# Allegro board A527_draft_V1_0.brd (continued)
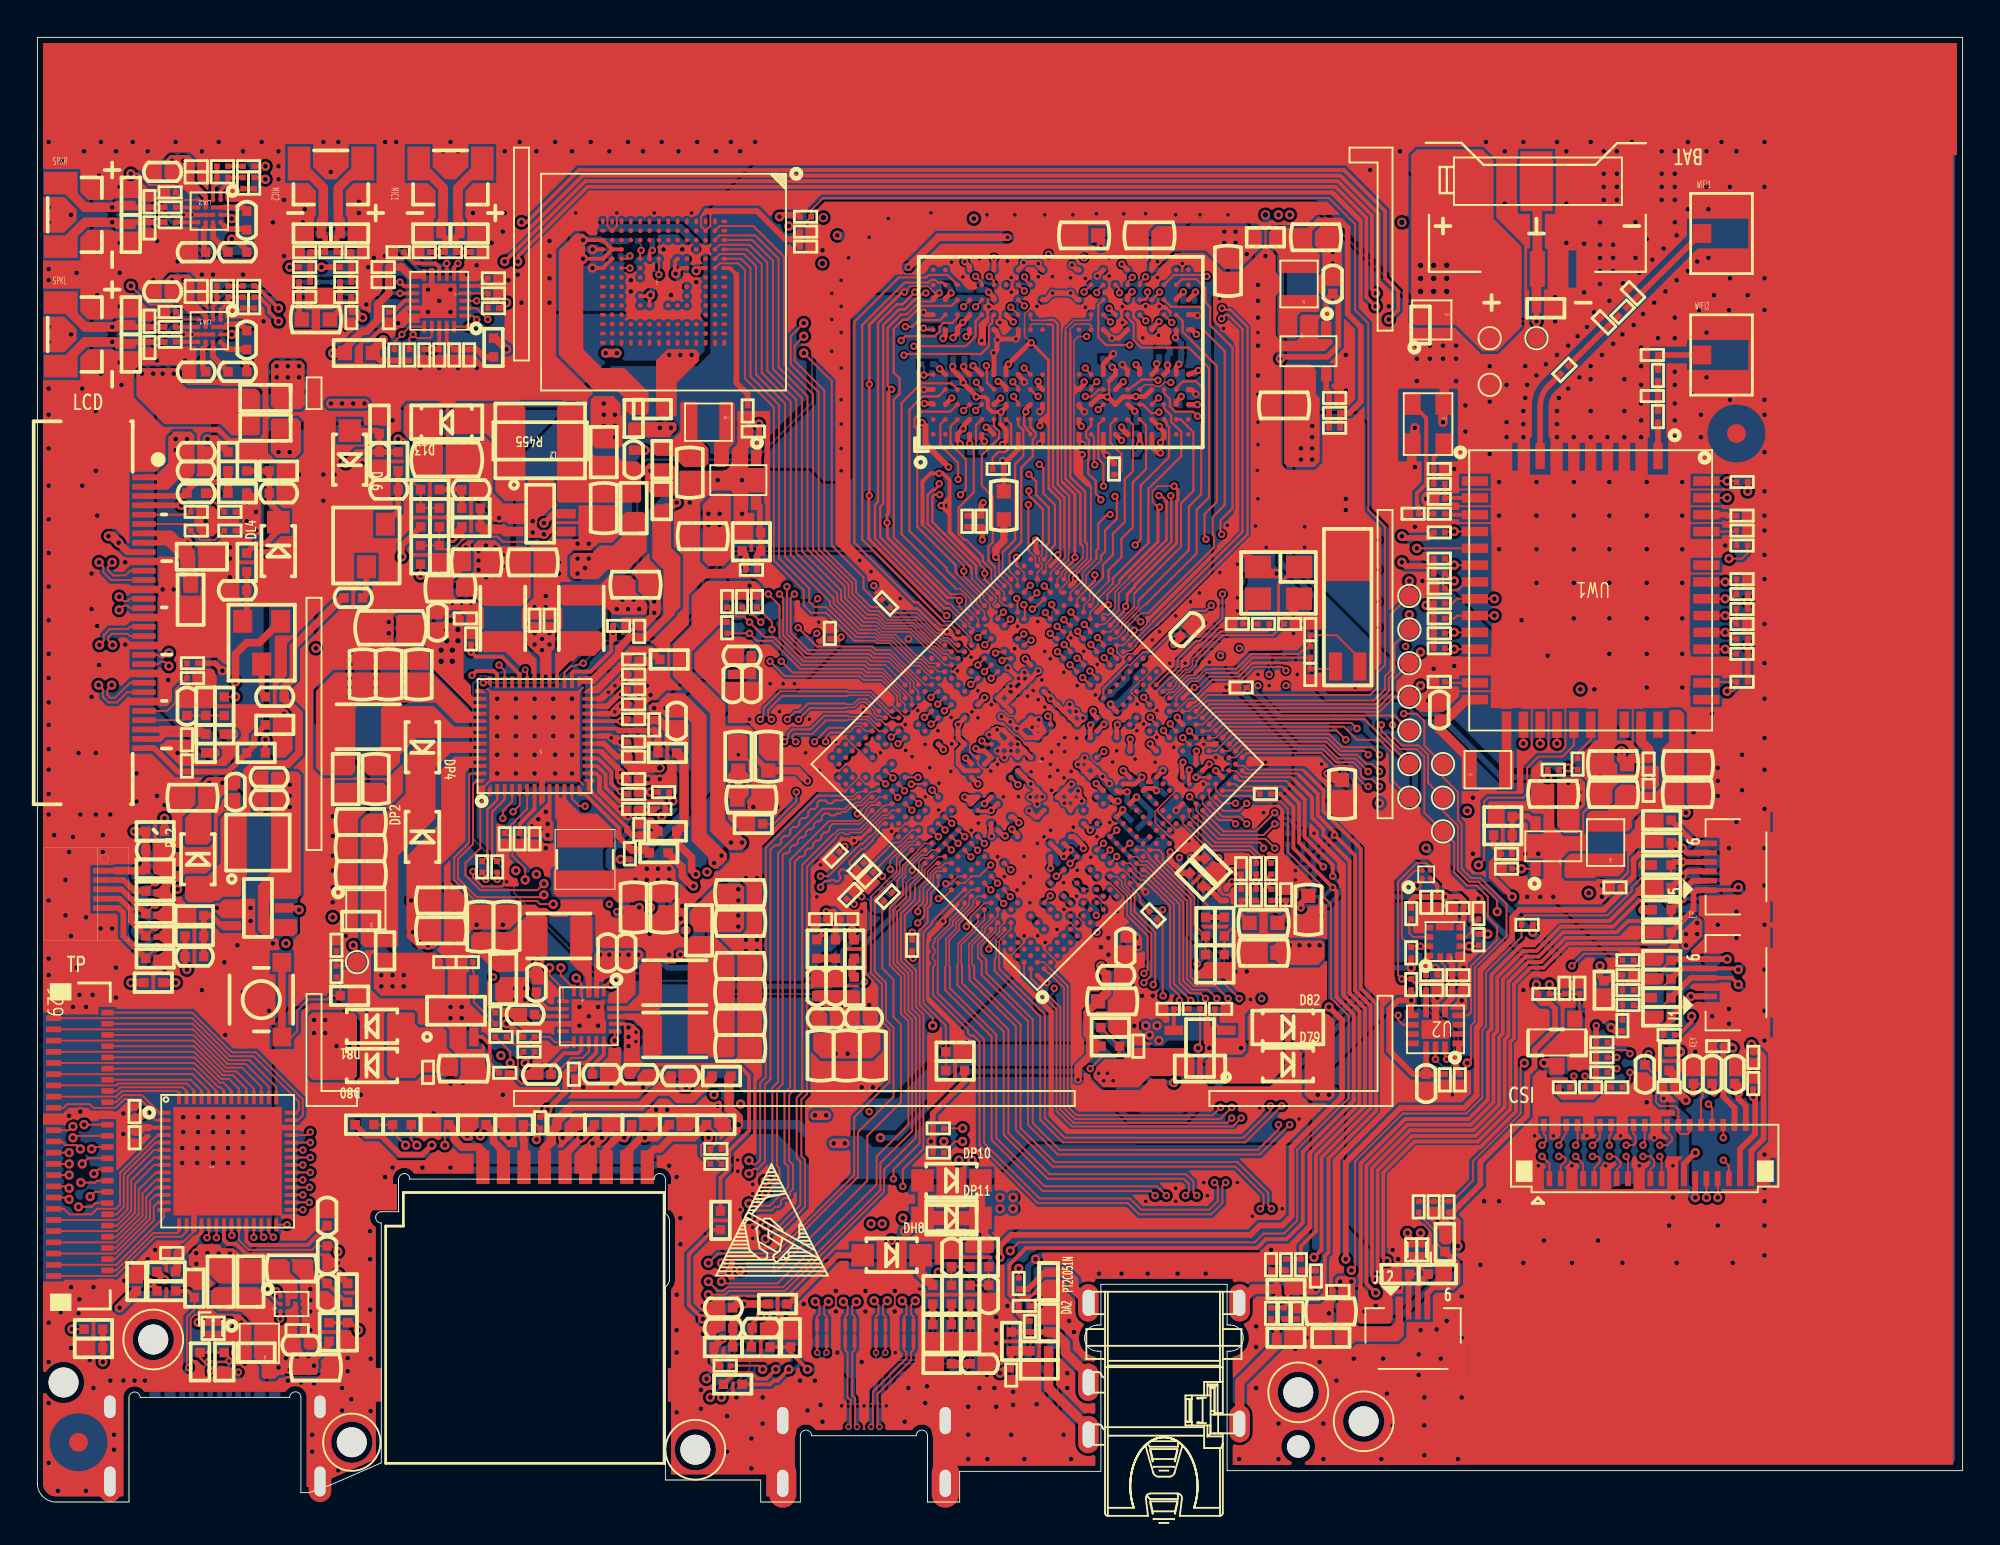
[diagram p0: board, top side]
## Routing (per net, layer and track width the routed paths; a pad name or vN(x,y) marks a point on that pad's centre or on a via; arc(x,y) is an arc through that point) (continued)
N18217425: length 5.1
  TOP w0.3: RH4.2 40.2,10.6 42.81,13.21 DH8.A
N18233780: length 14.7
  TOP w0.3: CD35.1 68.55,68.6 69.7,68.6 70.1,68.2 70.1,63.6 70.8,62.9 70.8,58.9 70.2,58.3 CD33.1 RD8.2
N18233816: length 1
  TOP w0.114: v1(47.4,62.84) 47.49,62.75 UD1.A8
  BOTTOM w0.1: RD4.1 47.44,62.8 v1(47.4,62.84)
N18233818: length 1.1
  TOP w0.114: UD1.A5 47.46,60.35 v1(47.43,60.32)
  BOTTOM w0.1: RD3.1 47.43,60.77 v1(47.43,60.32)
N18233823: length 3
  TOP w0.3: RD8.1 CD33.2 RD9.2 69.1,59.4 68.95,59.55 UD2.5
N18234082: length 3.4
  TOP w0.114: UD1.G2 52.1,57.68 52.1,56.5 51.8,56.21 51.41,56.21 51.1,55.9 RD1.1
N18234084: length 3.6
  TOP w0.114: UD1.T2 57.41,57.68 57.41,56.69 57.99,56.11 57.99,55.19 57.8,55 RD2.1
N18255489: length 2
  TOP w0.076: 58.92,32.48 58.92,32.53 58.45,33 U1.R1
  TOP w0.1: RW1.1 59,32.1 59,32.4 58.92,32.48
N18255972: length 3.7
  TOP w0.076: U1.C19 47.49,35.26 46.29,34.06 46.29,33.55 46,33.26 46,32.9
  TOP w0.1: RC1.1 46,32.9
N18258261: length 2.8
  TOP w0.1: U1.N7 v1(55.25,34.18)
  BOTTOM w0.1: RV1.2 55.89,32.81 55.25,33.45 v1(55.25,34.18)
N18347648: length 2.4
  TOP w0.3: R524.1 88.64,35.26 JL5.6
N18404073: length 4.4
  TOP w0.2: v2(39.5,7.1) 39,6.6 38.5,6.6 38.2,6.9 37.3,6.9 R528.2
  BOTTOM w0.2: U6.3 40.04,7.64 v2(39.5,7.1)
N18413684: length 4.1
  TOP w0.2: v2(40.2,7.1) 39.6,6.5 39.4,6.5 39.2,6.3 R528.1
  BOTTOM w0.2: U6.4 41.01,7.61 40.5,7.1 v2(40.2,7.1)
N18513632: length 1.6
  TOP w0.2: UP8.8 26.8,26 26.65,26.15 26.63,26.15 26.6,26.12 CP135.1
N18513788: length 7.1
  TOP w0.1: UP8.13 29.5,24.1 29.17,23.77 28.57,23.77 27.95,23.15 27.95,22.55 27.8,22.4 25.9,22.4 25.7,22.6 25.7,23.8 RP128.2
N18513817: length 4
  TOP w0.1: RP130.2 25.5,24.5 26.2,24.5 RP129.2 27.4,24.9 27.69,24.61 UP8.11

## Copper pours and planes (outline as drawn; the poured copper is in the pictures)
GND on TOP (solid shape): 64.35,43.85 64.39,43.84 64.4,43.8 64.4,43.4 64.39,43.36 64.35,43.35 62.6,43.35 62.52,43.33 62.46,43.26 62.46,43.26 61.96,42.75 61.94,42.74 61.92,42.74 61.87,42.74 61.85,42.73 61.83,42.73 61.59,42.48 61.57,42.47 61.54,42.47 61.52,42.48 61.49,42.52 61.45,42.56 61.45,42.64 61.45,42.66 61.46,42.67 61.64,42.85 61.65,42.86 61.67,42.86 61.87,42.86 61.88,42.87 61.9,42.87 62.67,43.65 62.7,43.66 62.72,43.68 62.88,43.84 62.89,43.85 62.91,43.85
GND on TOP (solid shape): 69.97,63.31 70.49,62.79 70.5,62.77 70.5,62.76 70.5,59.04 70.5,59.03 70.49,59.01 70.09,58.61 70.07,58.6 70.06,58.6 69.45,58.6 69.41,58.61 69.4,58.65 69.4,59.51 69.4,59.52 69.39,59.54 69.26,59.66 69.25,59.68 69.25,59.69 69.25,59.8 69.26,59.84 69.3,59.85 69.33,59.85 69.36,59.86 69.38,59.89 69.38,60.91 69.36,60.94 69.33,60.95 69.18,60.95 69.16,60.96 69.14,60.98 69.14,60.99 69.14,61.02 69.89,61.76 69.9,61.78 69.9,61.79 69.9,63.27 69.91,63.29 69.93,63.31 69.94,63.31
GND on TOP (solid shape): 54.57,8.37 54.6,8.33 54.6,8.32 54.6,7.85 54.6,7.84 54.61,7.82 55.52,6.92 55.52,6.86 55.52,5.96 55.83,5.38 56.48,5.31 56.49,5.31 56.51,5.31 56.58,5.26 56.59,5.25 56.6,5.23 56.6,4.8 56.59,4.78 56.58,4.76 56.51,4.71 56.49,4.71 56.48,4.71 56.27,4.76 56.06,4.74 56.04,4.74 56.02,4.74 54.51,6.25 54.5,6.27 54.5,6.28 54.5,8.33 54.51,8.35 54.53,8.37 54.54,8.37
GND on TOP (solid shape): 32.67,50.76 32.7,50.77 32.72,50.77 32.73,50.77 32.75,50.74 32.75,50.46 32.75,50.44 32.76,50.42 33.34,49.85 33.35,49.84 33.35,49.82 33.35,47.56 33.35,47.55 33.34,47.53 32.47,46.66 32.45,46.65 32.44,46.65 31.57,46.65 31.56,46.65 31.54,46.64 31.33,46.42 31.3,46.41 31.28,46.41 31.27,46.42 31.25,46.44 31.25,47.3 31.26,47.34 31.3,47.35 32.54,47.35 32.56,47.35 32.58,47.36 32.74,47.52 32.75,47.54 32.75,47.56 32.75,48.14 32.75,48.16 32.74,48.18 32.16,48.75 32.15,48.76 32.15,48.78 32.15,49.34 32.15,49.36 32.14,49.38 31.78,49.74 31.76,49.75 31.73,49.78 31.73,49.8 31.74,49.83
GND on TOP (solid shape): 75.4,27.52 75.4,27.14 75.4,27.13 75.39,27.11 75.09,26.81 75.07,26.8 75.05,26.8 75.01,26.79 75,26.76 75,25.84 75.01,25.81 75.05,25.8 75.5,25.8 75.54,25.79 75.55,25.75 75.55,24.85 75.54,24.81 75.5,24.8 74.1,24.8 74.06,24.81 74.05,24.85 74.05,25.75 74.06,25.79 74.1,25.8 74.56,25.8 74.59,25.81 74.6,25.84 74.6,27.55 74.61,27.59 74.65,27.6 75.26,27.6 75.28,27.6 75.3,27.62 75.34,27.62
GND on TOP (solid shape): 44.21,42.69 44.23,42.69 44.24,42.68 44.61,42.31 44.62,42.29 44.63,42.27 44.63,42.19 44.62,42.16 44.6,42.15 44.59,42.14 44.56,42.15 44.53,42.17 44.52,42.18 44.5,42.18 43.47,42.18 43.45,42.19 43.44,42.2 43.41,42.22 43.35,42.24 43.33,42.24 42.05,42.24 42.03,42.24 42.02,42.23 41.31,41.52 41.3,41.51 41.28,41.51 40.98,41.51 40.96,41.52 40.94,41.54 40.91,41.63 40.91,41.66 40.92,41.67 41.01,41.8 41.02,41.95 41.02,41.96 41.02,41.98 41.37,42.33 41.39,42.34 41.4,42.34 43.23,42.34 43.26,42.34 43.31,42.36 43.34,42.38 43.35,42.39 43.37,42.4 43.74,42.4 43.76,42.4 43.78,42.41 44.04,42.68 44.06,42.69 44.08,42.69
GND on TOP (solid shape): 86.95,36.85 86.99,36.84 87,36.8 87,36.14 87.01,36.11 87.04,36.1 87.36,36.1 87.37,36.1 87.39,36.09 87.7,35.78 87.71,35.75 87.71,35.73 87.7,35.72 87.68,35.7 87.04,35.7 87.01,35.69 87,35.66 87,35.05 86.99,35.01 86.95,35 85.59,35 85.58,35 85.56,34.99 85.13,34.55 85.1,34.54 85.08,34.54 85.07,34.55 85.05,34.57 85.05,34.81 85.04,34.84 85.01,34.85 84.95,34.85 84.91,34.86 84.9,34.9 84.9,35.7 84.91,35.74 84.95,35.75 85.14,35.75 85.16,35.75 85.18,35.76 85.44,36.02 85.45,36.04 85.45,36.06 85.45,36.42 85.45,36.44 85.46,36.45 85.85,36.84 85.86,36.85 85.88,36.85
GND on TOP (solid shape): 33.3,37.25 33.3,37.11 33.28,37.08 33.27,37.08 33.12,36.99 33.02,36.84 33.01,36.82 32.94,36.78 32.91,36.78 32.48,36.64 32.46,36.19 32.47,36.18 32.47,36.15 32.42,36.07 32.41,36.06 32.38,36.05 32.2,36.05 32.11,36.04 32.01,36 31.94,36 31.93,36 31.91,36.01 31.86,36.06 31.85,36.08 31.85,36.1 31.83,36.2 31.79,36.29 31.78,36.31 31.79,36.39 31.8,36.42 31.94,36.62 31.91,36.87 31.9,36.89 31.9,37.2 31.91,37.24 31.95,37.25 33.3,37.25
GND on TOP (solid shape): 75.02,32.1 75.05,32.09 75.3,32 75.55,32.09 75.58,32.1 75.96,32.1 75.97,32.1 76,32.07 76,31.09 76,31.08 75.97,31.05 75.82,31.05 75.79,31.04 75.78,31.01 75.78,30.64 75.76,30.61 75.73,30.6 74.87,30.6 74.84,30.61 74.83,30.64 74.83,31.01 74.81,31.04 74.78,31.05 74.22,31.05 74.19,31.04 74.17,31.01 74.17,30.5 74.16,30.46 74.13,30.45 73.7,30.45 73.68,30.45 73.67,30.46 73.61,30.52 73.6,30.53 73.6,30.55 73.6,30.85 73.61,30.89 73.65,30.9 73.76,30.9 73.79,30.91 73.8,30.94 73.8,32.06 73.8,32.07 73.83,32.1
GND on TOP (solid shape): 65.91,11 65.93,11 65.94,10.99 65.99,10.93 66,10.86 66.01,10.78 65.96,10.72 65.94,10.7 65.92,10.7 65.74,10.7 65.71,10.69 65.7,10.66 65.7,9.54 65.71,9.51 65.74,9.5 65.77,9.5 65.79,9.49 65.89,9.38 65.91,9.31 65.93,9.23 65.9,9.2 65.9,8.58 65.9,8.57 65.89,8.55 64.03,6.69 64,6.68 63.98,6.68 63.97,6.69 63.95,6.71 63.95,7.76 63.97,7.79 63.99,7.79 64.76,8.44 64.57,9.43 64.57,9.44 64.56,9.46 64.58,9.55 64.59,9.57 64.6,9.57 64.91,9.83 65.02,10.21 65.02,10.78 65.03,10.79 65.04,10.81 65.21,10.99 65.23,11 65.25,11
GND on TOP (solid shape): 61.24,36.15 61.25,36.14 61.27,36.13 61.71,35.69 61.73,35.66 61.74,35.64 62.37,35.01 62.39,34.98 62.37,34.95 62.14,34.72 62.13,34.71 62.11,34.7 61.94,34.7 61.92,34.71 61.91,34.72 61.68,34.8 61.47,34.69 61.45,34.68 61.43,34.68 61.37,34.68 61.35,34.68 61.33,34.69 61.19,34.79 61.01,34.79 60.98,34.79 60.91,34.83 60.9,34.86 60.87,34.94 60.81,35.1 60.83,35.38 60.59,35.54 60.56,35.55 60.51,35.6 60.5,35.63 60.54,35.67 60.55,35.68 60.57,35.68 60.77,35.76 60.86,35.95 60.86,35.97 60.92,36.03 60.94,36.03 61.05,36.06 61.14,36.13 61.16,36.14
GND on TOP (solid shape): 26.17,35.62 26.32,35.46 26.34,35.45 26.36,35.45 26.92,35.45 26.94,35.45 26.95,35.44 27.12,35.26 27.14,35.25 27.16,35.25 27.54,35.25 27.56,35.25 27.58,35.27 27.61,35.28 27.62,35.27 27.64,35.25 27.65,35.23 27.65,34.93 27.66,34.9 27.69,34.89 27.73,34.89 27.77,34.88 27.78,34.84 27.78,34.1 27.77,34.06 27.73,34.05 27.66,34.05 27.64,34.05 27.62,34.04 27.46,33.88 27.45,33.86 27.45,33.84 27.45,33.52 27.44,33.49 27.43,33.48 27.35,33.43 27.32,33.43 27.25,33.47 27.15,33.5 27.1,33.56 27.1,33.59 26.88,33.96 26.45,33.91 26.44,33.9 26.41,33.9 26.33,33.94 26.31,33.96 26.3,33.98 25.61,34.67 25.6,34.68 25.6,34.7 25.6,35.45 25.61,35.49 25.65,35.5 26.06,35.5 26.09,35.51 26.1,35.54 26.1,35.58 26.11,35.6 26.13,35.62 26.14,35.63
GND on TOP (solid shape): 40.7,48.3 40.78,48.25 40.79,48.24 40.8,48.21 40.8,47.94 40.8,47.92 40.81,47.9 41.3,47.41 41.32,47.4 41.34,47.4 42.1,47.4 42.12,47.4 42.13,47.39 42.84,46.68 42.85,46.66 42.85,46.65 42.84,46.57 42.8,46.52 42.75,46.49 42.7,46.49 42.7,46.5 42.14,46.5 42.11,46.49 42.1,46.46 42.1,46 42.09,45.96 42.05,45.95 41.78,45.95 41.76,45.95 41.75,45.96 41.67,46.05 41.65,46.07 41.65,46.09 41.69,46.18 41.71,46.2 41.72,46.2 41.91,46.71 41.4,46.52 41.4,46.51 41.38,46.49 41.29,46.45 41.27,46.45 41.25,46.47 41,46.71 40.99,46.73 41,46.74 40.9,47.02 40.62,47.09 40.61,47.09 40.58,47.09 40.52,47.14 40.51,47.15 40.5,47.17 40.5,48.22 40.52,48.25 40.54,48.25 40.61,48.27 40.68,48.3
GND on TOP (solid shape): 24.68,36.33 24.69,36.32 24.81,36.26 24.96,36.25 24.97,36.26 24.99,36.25 25,36.24 25.01,36.21 25,36.18 24.93,36.11 24.92,36.1 24.9,36.1 24.74,36.1 24.71,36.09 24.7,36.06 24.7,35.54 24.71,35.51 24.74,35.5 25.15,35.5 25.19,35.49 25.2,35.45 25.2,34.54 25.2,34.52 25.21,34.5 25.43,34.29 25.44,34.27 25.44,34.25 25.43,34.17 25.41,34.15 25.21,33.7 25.61,33.4 25.63,33.39 25.69,33.33 25.7,33.31 25.71,33.19 25.76,33.09 25.77,33.08 25.77,33.05 25.72,32.97 25.71,32.96 25.68,32.95 24.93,32.95 24.91,32.96 24.89,32.98 24.85,33.06 24.85,33.09 24.86,33.1 24.95,33.29 24.91,33.5 24.9,33.52 24.9,34.56 24.89,34.59 24.86,34.6 24.62,34.6 24.6,34.6 24.59,34.61 24.55,34.65 24.54,34.66 24.54,34.68 24.54,36.25 24.55,36.28 24.57,36.29 24.65,36.33
GND on TOP (solid shape): outline of 81 points within 28.39,21.6 33.5,24.36
GND on TOP (solid shape): outline of 88 points within 24.8,25 30.42,26.92
GND on TOP (solid shape): outline of 98 points within 23.5,37.27 29.25,43.64
GND on TOP (solid shape): outline of 93 points within 7.19,9.96 10.06,13.02
GND on TOP (solid shape): outline of 86 points within 52.42,7.51 56.6,11.9
GND on TOP (solid shape): outline of 97 points within 0.3,17.77 6.07,21.37
GND on TOP (solid shape): 62.39,40.95 62.4,40.93 62.41,40.92 62.58,40.65 62.89,40.71 62.91,40.72 62.93,40.73 63.17,40.73 63.18,40.72 63.22,40.67 63.21,40.64 62.98,40.41 62.97,40.4 62.95,40.4 62.92,40.4 62.89,40.41 62.41,40.21 62.89,40.01 62.91,40.02 62.93,40.02 63.17,40.02 63.18,40.02 63.28,39.95 63.38,39.92 63.41,39.92 63.46,39.86 63.47,39.84 63.55,39.65 63.74,39.57 63.76,39.56 63.81,39.51 63.82,39.48 63.79,39.44 63.77,39.43 63.76,39.43 63.55,39.35 63.47,39.15 63.45,39.12 63.42,39.11 63.39,39.12 63.35,39.16 63.34,39.18 63.26,39.36 63.07,39.45 63.05,39.45 63,39.5 62.99,39.53 62.7,39.8 62.39,39.53 62.39,39.51 62.35,39.47 62.32,39.46 62.28,39.47 62.27,39.5 62.26,39.59 62.2,39.7 62.2,39.95 62.21,39.97 62.22,39.98 62.29,40.31 62.01,40.5 61.98,40.5 61.92,40.56 61.92,40.58 61.95,40.62 61.97,40.63 61.98,40.63 62.18,40.71 62.27,40.9 62.28,40.92 62.33,40.98 62.36,40.98
GND on TOP (solid shape): outline of 150 points within 53.73,11.67 70.78,36.36
GND on TOP (solid shape): outline of 120 points within 61.71,31.95 64.97,34.75
GND on TOP (solid shape): outline of 168 points within 27.8,17.58 37.15,21.72
GND on TOP (solid shape): outline of 272 points within 54.39,23.41 60.82,32.5
GND on TOP (solid shape): outline of 339 points within 41.37,27.5 46.14,36.39
GND on TOP (solid shape): outline of 484 points within 31.5,37.75 40.05,58.4
GND on TOP (solid shape): outline of 648 points within 31.42,63.25 36.05,67.35
GND on TOP (solid shape): outline of 619 points within 70.61,9.55 87.93,33.3
GND on TOP (solid shape): outline of 1232 points within 51.07,14.05 69,37.31
GND on TOP (solid shape): outline of 2767 points within 40.1,43.4 71.9,69.6
GND on TOP (solid shape): outline of 5247 points within 43.18,29.53 62.76,47.9
GND on TOP (solid shape): outline of 13596 points within 0.3,0.3 102.7,78.1
GND on BOTTOM (solid shape): 48.25,6.45 48.27,6.44 48.29,6.42 48.3,6.41 48.29,6.38 47.92,6.01 47.91,6 47.89,6 47.14,6 47.12,6 47.1,5.99 46.37,5.25 46.34,5.24 46.32,5.24 46.31,5.25 46.29,5.27 46.29,6.42 46.29,6.43 46.3,6.45
GND on BOTTOM (solid shape): 32.74,30.75 32.75,30.75 32.77,30.74 34.03,29.48 34.03,29.45 34.03,29.44 34.01,29.24 34.09,29.05 34.1,29.04 34.1,29.01 34.06,28.93 34.04,28.91 34.02,28.9 33.87,28.9 33.85,28.9 33.84,28.91 32.08,30.67 32.06,30.7 32.07,30.72 32.07,30.73 32.09,30.75
GND on BOTTOM (solid shape): 42.72,29.51 42.75,29.52 42.77,29.52 42.78,29.52 42.8,29.49 42.8,28.44 42.8,28.43 42.79,28.41 42.29,27.91 42.27,27.9 42.26,27.9 41.22,27.9 41.2,27.91 41.18,27.93 41.17,27.94 41.18,27.97 41.95,28.74 41.98,28.75 42.01,28.75 42.48,28.82 42.55,29.29 42.55,29.32 42.56,29.35
GND on BOTTOM (solid shape): 69.03,26.11 69.04,26.09 69.07,26 69.07,25.98 69.06,25.96 66.61,23.51 66.6,23.5 66.58,23.5 62.43,23.5 62.41,23.5 62.4,23.51 62.15,23.76 62.14,23.78 62.14,23.8 62.17,23.89 62.18,23.91 62.19,23.91 62.45,24.11 62.48,24.43 62.47,24.44 62.48,24.46 62.53,24.53 62.54,24.54 62.56,24.55 67.34,24.55 67.36,24.55 67.38,24.56 68.93,26.12 68.96,26.13
GND on BOTTOM (solid shape): 68.2,69.2 68.22,69.2 68.23,69.18 69.83,67.59 69.84,67.56 69.84,67.53 69.84,67.52 69.81,67.5 66.9,67.5 66.87,67.51 66.85,67.55 66.85,68.02 66.85,68.04 66.84,68.06 66.53,68.37 66.52,68.39 66.51,68.41 66.53,68.51 66.55,68.53 66.61,68.56 66.67,68.6 66.75,68.59 67.24,68.58 67.37,69.06 67.36,69.07 67.36,69.1 67.42,69.18 67.44,69.19 67.46,69.2
GND on BOTTOM (solid shape): 68,34.1 68.04,34.09 68.05,34.05 68.05,33.95 68.04,33.91 68,33.9 68,33.34 68.01,33.31 68.05,33.3 68.05,33.15 68.04,33.11 68,33.1 67.44,33.1 67.41,33.09 67.4,33.05 66.6,33.05 66.59,33.09 66.55,33.1 66.55,33.25 66.56,33.29 66.6,33.3 66.6,33.86 66.59,33.89 66.55,33.9 66.55,34.05 66.56,34.09 66.6,34.1 67.2,34.1 67.4,34.1
GND on BOTTOM (solid shape): 44.2,31.96 44.23,31.97 44.25,31.97 44.34,31.94 44.35,31.92 44.36,31.91 44.58,31.5 45.02,31.35 45.03,31.35 45.06,31.34 45.09,31.25 45.1,31.22 45.08,31.2 44.46,30.57 44.45,30.56 44.45,30.54 44.45,30.49 44.45,30.48 44.44,30.46 43.98,30 43.95,29.99 43.93,29.99 43.92,30 43.9,30.02 43.9,30.32 43.91,30.35 43.99,30.69 43.78,30.96 43.76,30.98 43.75,31 43.75,31.49 43.75,31.51 43.76,31.52
GND on BOTTOM (solid shape): 47.83,35.44 47.85,35.45 47.86,35.46 47.94,35.45 48.01,35.39 48.07,35.35 48.08,35.33 48.1,35.25 48.09,35.23 48.08,35.21 47.01,34.14 47,34.12 47,34.11 47,33.74 47,33.73 46.99,33.71 45.66,32.38 45.64,32.37 45.62,32.37 45.54,32.37 45.52,32.39 45.32,32.57 45.07,32.65 45.06,32.65 45.04,32.66 45.01,32.75 45,32.78 45.02,32.8 45.2,32.99 45.23,33 45.27,32.99 45.56,32.7 45.59,32.68 45.62,32.7 45.98,33.06 45.99,33.09 45.98,33.12 45.69,33.41 45.68,33.44 45.69,33.47 46.98,34.76 47,34.77 47.01,34.78 47.15,34.78 47.16,34.78 47.18,34.79
GND on BOTTOM (solid shape): 62.63,39.03 62.65,39.04 62.67,39.05 62.76,39.03 62.77,39.02 62.78,39.01 63.02,38.85 63.29,38.97 63.34,39 63.68,39 63.7,38.99 63.72,38.97 63.72,38.96 63.72,38.93 62.32,37.54 62.29,37.53 62.28,37.54 62.19,37.59 62.1,37.6 62.08,37.61 61.96,37.73 61.95,37.75 61.83,37.99 61.57,38.04 61.54,38.04 61.53,38.05 61.47,38.09 61.46,38.1 61.44,38.21 61.45,38.23 61.76,38.54 61.78,38.55 61.82,38.54 62.06,38.5 62.24,38.64 62.25,38.65
GND on BOTTOM (solid shape): 35.65,32.15 35.69,32.14 35.7,32.1 35.7,29.61 35.7,29.59 35.71,29.57 36.31,28.98 36.32,28.95 36.32,28.93 36.32,28.92 36.29,28.9 34.78,28.9 34.76,28.91 34.74,28.93 34.7,29.01 34.7,29.04 34.71,29.05 34.8,29.26 34.76,29.48 34.75,29.5 34.75,29.73 34.75,29.74 34.74,29.76 34.32,30.17 34.31,30.2 34.31,30.22 34.32,30.23 34.34,30.25 34.5,30.25 34.52,30.24 35.1,30.6 34.52,30.96 34.5,30.95 34.36,30.95 34.35,30.95 34.33,30.96 33.76,31.53 33.75,31.55 33.75,31.56 33.75,32.1 33.76,32.14 33.8,32.15
GND on BOTTOM (solid shape): 47.07,42.15 47.09,42.15 47.11,42.13 47.16,42.08 47.16,42.05 47.22,41.82 47.44,41.71 47.46,41.7 47.51,41.65 47.52,41.62 47.74,41.36 48.07,41.48 48.09,41.5 48.17,41.51 48.19,41.51 48.21,41.5 48.84,40.86 48.85,40.85 48.87,40.85 49.36,40.85 49.39,40.84 49.41,40.82 49.41,40.81 49.41,40.78 48.92,40.29 48.9,40.28 48.87,40.28 48.78,40.31 48.77,40.33 48.76,40.34 48.71,40.46 48.62,40.54 48.62,40.59 48.6,40.62 48.24,40.98 48.21,40.99 48.18,40.98 47.84,40.64 47.81,40.63 47.77,40.64 46.34,42.07 46.33,42.1 46.33,42.12 46.33,42.13 46.36,42.15
GND on BOTTOM (solid shape): 61.72,45.5 61.75,45.51 61.77,45.51 61.78,45.5 61.8,45.48 61.8,45.14 61.81,45.11 61.84,45.1 61.88,45.1 61.9,45.09 61.92,45.07 61.93,45.06 61.92,45.03 61.55,44.66 61.54,44.65 61.52,44.65 60.58,44.65 60.56,44.65 60.55,44.64 59.28,43.37 59.26,43.37 59.25,43.37 58.94,43.24 58.94,42.91 58.95,42.89 58.95,42.86 58.33,42.24 58.29,42.23 58.26,42.24 58.12,42.38 58.09,42.39 58.06,42.38 57.79,42.11 57.76,42.1 57.74,42.1 57.72,42.11 57.71,42.13 57.71,42.36 57.72,42.39 57.75,42.4 57.91,42.4 57.93,42.41 57.94,42.41 59.09,43.56 59.1,43.58 59.1,43.59 59.1,43.98 59.1,44 59.11,44.01 59.89,44.79 59.9,44.8 59.92,44.8 60.11,44.8 60.12,44.8 60.14,44.81 60.41,45.09 60.43,45.1 60.44,45.1 61.31,45.1 61.32,45.1 61.34,45.11
GND on BOTTOM (solid shape): 61.83,37.17 61.86,37.12 61.9,37.07 61.9,37.06 61.9,34.86 61.89,34.84 61.87,34.82 61.86,34.82 61.83,34.82 60.62,36.04 60.6,36.05 60.59,36.05 60.32,36.05 60.3,36.05 60.29,36.06 59.94,36.4 59.92,36.42 59.84,36.41 59.78,36.47 59.77,36.5 59.77,36.57 59.78,36.61 59.81,36.64 59.82,36.69 59.84,36.71 59.86,36.71 59.88,36.71 60.42,36.16 60.44,36.15 60.46,36.15 60.64,36.15 60.66,36.15 60.68,36.16 60.95,36.42 61.12,36.26 61.14,36.25 61.16,36.25 61.23,36.25 61.25,36.25 61.28,36.22 61.31,36.21 61.34,36.22 61.38,36.25 61.39,36.25 61.44,36.25 61.46,36.25 61.48,36.26 61.74,36.52 61.75,36.54 61.75,36.56 61.75,37.14 61.76,37.17 61.8,37.18 61.81,37.18
GND on BOTTOM (solid shape): 51.73,38.52 51.75,38.53 51.77,38.53 51.84,38.53 51.87,38.51 51.97,38.43 52.1,38.4 52.16,38.35 52.28,38.16 52.48,38.1 52.51,38.09 52.56,38.04 52.57,38.03 52.58,38.01 52.58,37.81 52.57,37.79 52.56,37.78 50.95,36.16 50.93,36.15 50.92,36.15 50.39,36.15 50.38,36.15 50.36,36.14 50,35.77 49.98,35.76 49.96,35.76 49.88,35.76 49.86,35.78 49.79,35.85 49.71,35.9 49.69,35.9 49.68,35.92 49.68,36.53 49.68,36.55 49.69,36.56 49.71,36.59 49.73,36.6 49.74,36.6 50.06,36.6 50.09,36.61 50.1,36.65 50.18,36.73 50.21,36.74 50.25,36.73 50.56,36.42 50.59,36.41 50.62,36.42 50.84,36.64 50.85,36.65 50.87,36.65 50.99,36.65 51,36.65 51.02,36.66 51.08,36.73 51.1,36.73 51.32,37.05 51.05,37.32 51.03,37.33 50.98,37.38 50.97,37.41 50.95,37.49 50.9,37.57 50.89,37.59 50.89,37.66 50.91,37.69 51.58,38.36
GND on BOTTOM (solid shape): 56.79,35.87 56.81,35.87 56.82,35.86 56.99,35.69 57,35.67 57,35.65 56.98,35.57 56.96,35.55 56.95,35.54 56.74,35.23 57.01,34.96 57.03,34.95 57.08,34.9 57.09,34.88 57.18,34.69 57.36,34.6 57.38,34.6 57.44,34.55 57.44,34.52 57.66,34.26 57.98,34.37 58.01,34.39 58.08,34.39 58.1,34.39 58.12,34.38 58.44,34.06 58.45,34.05 58.45,34.03 58.45,32.41 58.45,32.4 58.46,32.38 58.52,32.33 58.53,32.3 58.53,32.28 58.52,32.27 58.5,32.25 58.42,32.25 58.4,32.25 58.39,32.26 56.44,34.2 56.41,34.22 56.38,34.2 56.34,34.24 56.33,34.25 56.3,34.25 56.01,34.55 56,34.57 56,34.59 56.02,34.68 56.03,34.7 56.05,34.7 56.26,34.92 56.16,35.22 56.15,35.24 56.15,35.33 56.15,35.34 56.15,35.58 56.15,35.6 56.17,35.62 56.23,35.67 56.26,35.67 56.46,35.7 56.61,35.85 56.61,35.86 56.63,35.87
GND on BOTTOM (solid shape): outline of 118 points within 60.46,39.29 63.67,40.85
GND on BOTTOM (solid shape): outline of 125 points within 48.92,24.65 56.96,32.31
GND on BOTTOM (solid shape): outline of 178 points within 14.8,50.33 28.08,58.88
GND on BOTTOM (solid shape): outline of 169 points within 31.12,35.55 34.25,41.45
GND on BOTTOM (solid shape): outline of 108 points within 54.59,28.9 58.05,34.06
GND on BOTTOM (solid shape): outline of 119 points within 41.65,67.5 66.15,69.2
GND on BOTTOM (solid shape): outline of 163 points within 52.27,36 57.66,42.36
GND on BOTTOM (solid shape): outline of 142 points within 65.98,26.53 70.9,40.06
GND on BOTTOM (solid shape): outline of 270 points within 66.54,32.7 75.18,41.75
GND on BOTTOM (solid shape): outline of 415 points within 58.35,25.52 65.2,35.6
GND on BOTTOM (solid shape): outline of 456 points within 23.5,33.68 49.12,50.7
GND on BOTTOM (solid shape): outline of 12706 points within 0.3,0.3 102.6,77.8
GND on ART03 (solid shape): 9.57,55.75 9.59,55.74 9.61,55.72 9.61,55.71 9.61,55.68 7.73,53.8 7.7,53.79 7.68,53.79 7.67,53.8 7.65,53.82 7.65,55.38 7.65,55.4 7.64,55.42 7.38,55.67 7.37,55.7 7.37,55.72 7.38,55.73 7.4,55.75
GND on ART03 (solid shape): 42.8,46.03 42.82,46.04 42.85,46.04 42.88,46.02 42.9,46.01 42.91,45.92 42.91,45.9 42.9,45.88 40.63,43.61 40.62,43.6 40.6,43.6 38.67,43.6 38.65,43.61 38.63,43.63 38.63,43.64 38.63,43.67 38.95,43.99 38.97,44 38.98,44 40.75,44 40.76,44 40.78,44.01
GND on ART03 (solid shape): 42.02,26.8 42.04,26.8 42.06,26.78 42.11,26.72 42.11,26.69 42.1,26.57 42.13,26.45 42.13,26.44 42.13,26.41 41.98,26.26 41.97,26.25 41.95,26.25 41.35,26.25 41.33,26.25 41.32,26.26 41.3,26.29 41.28,26.3 41.27,26.3 34.4,26.3 34.39,26.3 34.37,26.31 33.96,26.72 33.95,26.75 33.95,26.77 33.96,26.78 33.98,26.8
GND on ART03 (solid shape): 34.27,41.56 34.3,41.57 34.32,41.57 34.33,41.56 34.35,41.54 34.35,40.76 34.35,40.75 34.34,40.73 33.87,40.26 33.85,40.25 33.84,40.25 32.77,40.25 32.75,40.25 32.74,40.24 32.3,39.8 32.28,39.79 32.25,39.79 32.24,39.79 32.23,39.82 32.23,40.44 32.23,40.46 32.24,40.47 32.35,40.59 32.37,40.6 32.38,40.6 33.3,40.6 33.31,40.6 33.33,40.61
GND on ART03 (solid shape): 62.68,25.9 62.7,25.9 62.71,25.89 62.97,25.63 62.99,25.6 62.98,25.58 62.98,25.57 62.96,25.55 61.87,25.55 61.85,25.55 61.84,25.54 60.71,24.41 60.7,24.4 60.7,24.38 60.7,24.27 60.7,24.25 60.69,24.24 60.63,24.18 60.6,24.16 60.58,24.17 60.57,24.17 60.55,24.19 60.55,25.68 60.55,25.7 60.54,25.72 60.43,25.82 60.42,25.85 60.42,25.87 60.43,25.88 60.45,25.9